# Altium PCB Monitoring.PcbDoc (part 2 of 2)
Units mil, origin at the board's own origin, x right, y up, seen from the top; angles counter-clockwise.
Board outline 4310 x 2295 mil, 4 copper layers (Top Layer, Internal Plane 1, Internal Plane 2, Bottom Layer), stack 18.2 mil thick; 117 components, 83 nets, 482 pads, 104 vias.
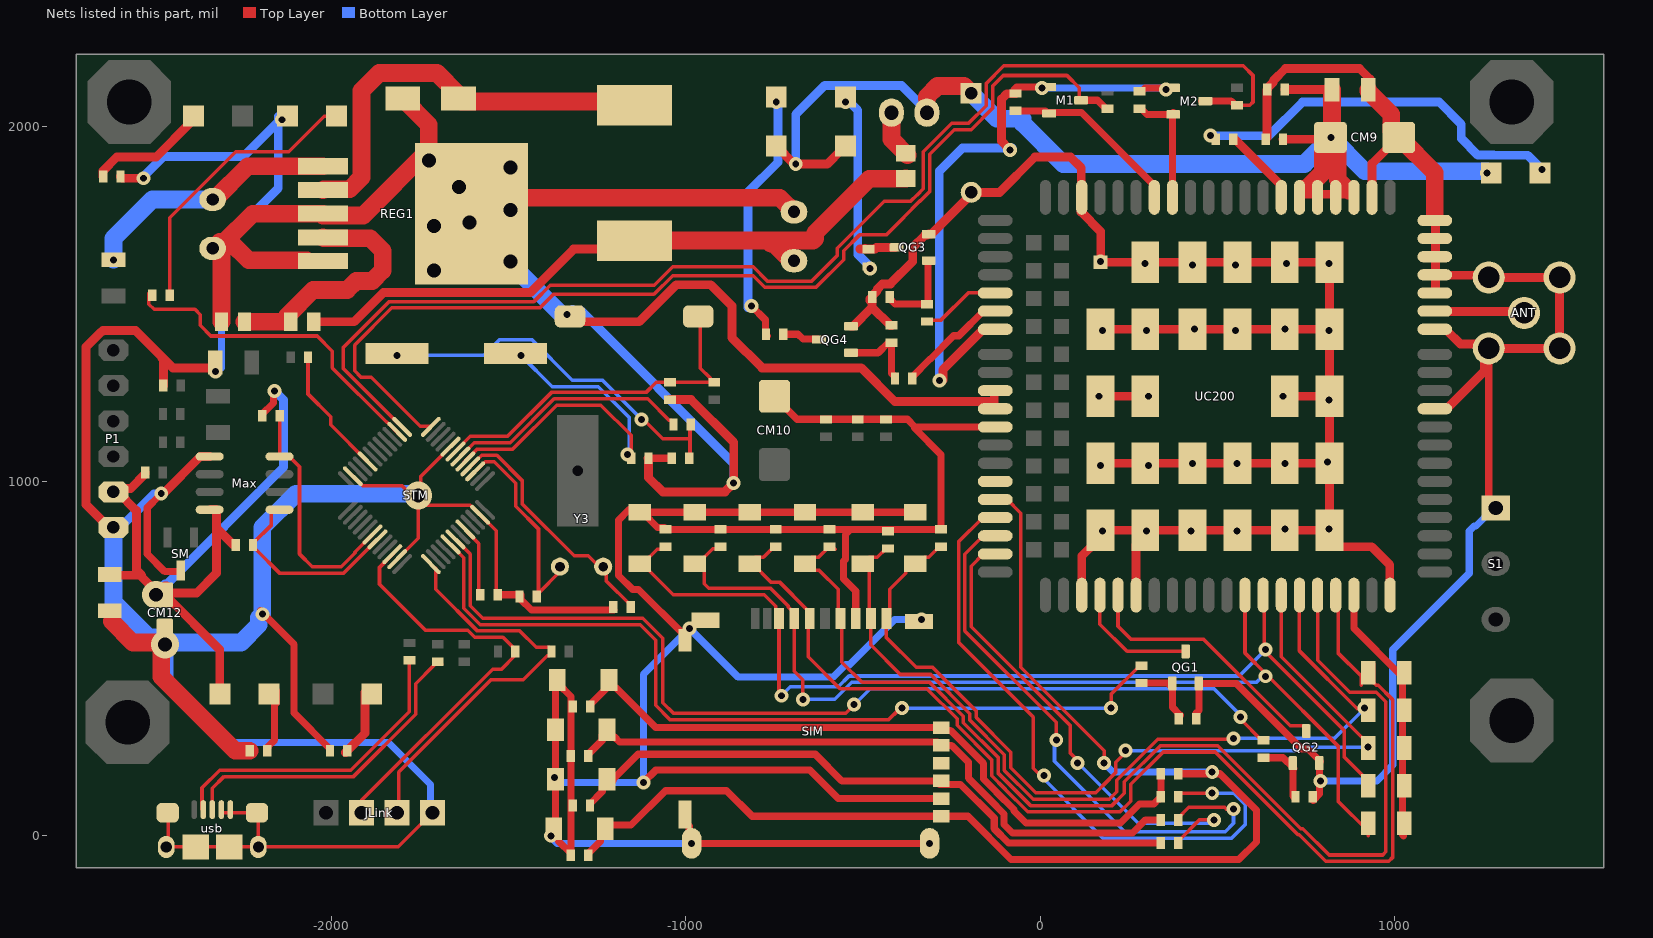
[diagram p4: the nets of this part, all layers, seen from the top]

## Via types
v1: diameter 39.37, hole 19.68, Top Layer to Bottom Layer, 93 vias
v2: diameter 78.74, hole 39.37, Top Layer to Bottom Layer, 11 vias

## Nets (pads, with @x,y where several pads share a name; then routed paths per layer and width w, separated by ;. In a path a pad name is that pad's centre, name@x,y a point inside that pad or via, vN(x,y) a via of type N, cw(c..) or ccw(c..) an arc to the next point about the centre after c; other vN are vias at no path point) (continued)
GND: ANT.G C1.1 C2.1 C3.2 C5.2 C20.2 CM9.2 CM12.2 CM13.2 CM20.2 CM25.2 CS3.2 CS4.2 CS5.2 DM2.1 DZ1.1 JLink.1 Max.5 P1.6 QG1.2 QG2.2 QG3.2 QG4.2 R4.2 R24.1 R50.1 R'16.2 Ready.2 REG1.3 REG1.5 REG1.6 RES.1 RL1.1 RN2.2 RS2.2 RS4.2 RS6.2 RS8.2 RT3.2 S1.1 SM.3 STM.8 STM.23 STM.35 STM.47 UC200.8 UC200.9 UC200.19 UC200.22 UC200.36 UC200.46 UC200.48 UC200.50 UC200.51 UC200.52 UC200.53 UC200.54 UC200.56 UC200.72 UC200.85 UC200.86 UC200.87 UC200.88 UC200.89 UC200.90 UC200.91 UC200.92 UC200.93 UC200.94 UC200.95 UC200.96 UC200.97 UC200.98 UC200.99 UC200.100 UC200.101 UC200.102 UC200.103 UC200.104 UC200.105 UC200.106 UC200.107 UC200.108 UC200.109 UC200.110 UC200.111 UC200.112 usb.4 usb.5 usb.S | length 24446.5
  Top Layer w10: usb.S@-2465.91,-31.46 -2460,-25.55 usb.S@-2460,65 ; usb.S@-2460,-40 -2451.46,-31.46 usb.S@-2383.23,-31.46 usb.S@-2288.74,-31.46 usb.S@-2206.06,-31.46 ; usb.4@-2310.39,73.86 -2310.39,67.66 -2307.74,65 -2220,65 usb.S@-2215,60 ; usb.S@-2210,65 -2206.06,61.06 usb.S@-2206.06,-31.46 ; STM.23@-1939.56,1014.29 -1939.07,1014.29 -1911.94,987.15 -1800.76,987.15 v2@-1783.6,970 ; STM.35@-1814.29,780.44 -1755,839.73 v2@-1755,950 ; v2@-1747.39,977.61 -1747.39,1014.37 STM.8@-1663.96,1097.8 ; v2@-1732.85,932.85 -1608.06,932.85 -1580.93,905.71 STM.47@-1580.44,905.71 ; JLink.1@-1710,45 -1735,45 -1811.46,-31.46 usb.S@-2206.06,-31.46 ; STM.47@-1580,905 -1579.73,905 -1535,860.27 R4.2@-1535,680
  Top Layer w20: v1@-2485,965 -2485,960 -2519.63,925.37 -2519.63,794.63 -2470,745 -2426.81,745 -2425,746.81 SM.3@-2425,748.74 ; v1@-2200,635 -2105,540 -2105,345.93 -2003.99,244.92 RL1.1@-2003.99,240 ; R4.2@-1530,680 C1.1@-1471.31,680 ; C1.1@-1465,680 -1465,665.68 -1435.82,636.5 C2.1@-1203.5,636.5 ; C20.2@-1110,1065 C20.2@-1105.5,1065 C3.2@-1039.5,1065 ; RS2.2@440,340 440,345.93 447.4,353.33 QG1.2@447.4,429.72 552.93,429.72 737.65,245 755,245 QG2.2@790,210 ; RS4.2@770,100 787.4,117.4 QG2.2@787.4,204.72 ; ANT.G@1252.5,1357.5 1265,1345 1265,945 S1.1@1285,925
  Top Layer w25: P1.6@-2625,865 -2625,867.5 -2691.94,934.44 -2691.94,1379.37 -2650.94,1420.37 -2649.63,1420.37 -2645,1425 -2552.2,1425 -2447.2,1320 R'16.2@-2330,1320 ; R50.1@-2595,1860 -2590,1855 v1(-2530,1855) ; v1(-2480,965) -2474.61,965 -2369.61,1070 Max.5@-2343.43,1070 ; -2480,1350 -2473.99,1343.99 RT3.2@-2473.99,1270 ; R'16.2@-2332.2,1315 R'16.2@-2327.2,1315 ; RES.1@-1320,1450 -1131.3,1450 -1026.66,1554.64 -929.64,1554.64 -870,1495 -870,1405 -785,1320 -505,1320 -410,1225 -130,1225 UC200.8@-130,1250 ; C20.2@-1105.5,1060.77 -1105.5,1010.5 -1065,970 -890,970 v1(-865,995) -865,1110 -985.5,1230.5 C5.2@-1045,1230.5 ; QG4.2@-534.45,1437.4 -527.95,1437.4 -475,1490.35 -475,1491.46 ; RS6.2@-480,1510 RS6.2@-480,1515 ; RS6.2@-475,1510 -475,1491.46 ; RS6.2@-473.99,1520 -473.99,1523.54 -460,1537.54 -460,1542.36 -445.25,1557.11 -422.89,1557.11 -360,1620 -360,1660 -325,1695 QG3.2@-320,1695 ; RS8.2@-420,1440 -423.54,1440 -475,1491.46 ; QG3.2@-314.72,1697.4 -308.23,1697.4 DZ1.1@-203.82,1801.81 ; DZ1.1@-195,1815.24 -114.76,1815.24 -15,1915 85,1915 115.61,1884.39 115.61,1830.61 UC200.72@115,1830 ; UC200.19@115,690 UC200.19@115.61,690.61 ; UC200.72@115,1760 170.39,1704.61 UC200.108@170.39,1617.95 UC200.85@812.05,1617.95 ; UC200.19@116.85,678.98 116.85,789.21 157.64,830 UC200.112@160,830 ; UC200.111@170,1051.02 UC200.106@295.98,1051.02 UC200.101@429.84,1051.02 UC200.97@555.83,1051.02 UC200.93@689.69,1051.02 UC200.88@808.98,1051.02 ; UC200.110@170,1240 UC200.105@295.98,1240 300,1240 UC200.105@305,1245 ; UC200.109@170,1428.98 UC200.104@295.98,1428.98 UC200.100@429.84,1428.98 UC200.96@555.83,1428.98 UC200.91@689.69,1428.98 UC200.86@815.67,1428.98 ; UC200.112@175,862.05 UC200.107@295.98,862.05 ; UC200.22@270.39,678.98 270.39,820.39 UC200.107@285,835 ; UC200.107@300,862.05 UC200.102@425,862.05 ; UC200.102@429.84,862.05 UC200.98@555.83,862.05 UC200.94@689.69,862.05 797.05,862.05 UC200.89@805,870 ; CS4.2@640,1970 640,2104.5 CS3.2@640.5,2105 640.5,2108.54 657.31,2125.35 657.31,2130.17 691.77,2164.63 900.37,2164.63 CS5.2@930,2135 ; UC200.92@689.69,1240 UC200.87@810,1240 ; UC200.85@815.67,1617.95 UC200.86@815.67,1428.98 ; UC200.56@935.75,1801.02 935.75,1896.26 985,1945.51 CM9.2@985,1950 ; UC200.36@985,705 985.69,705.69 985.69,764.31 934.51,815.49 842.54,815.49 815.67,842.36 UC200.89@815.67,862.05 UC200.88@815.67,1051.02 UC200.87@815.67,1240 UC200.86@815.67,1428.98 ; CM9.2@1020.55,1970 CM9.2@1025,1970 ; UC200.46@1112.91,1204.57 1146.38,1204.57 1252.44,1310.63 1252.44,1357.44 1252.5,1357.5 ANT.G@1255,1360 ; UC200.54@1112.91,1736.06 1115,1733.98 UC200.51@1115,1582.52 ; UC200.50@1115,1540 UC200.51@1115,1580 ; UC200.48@1125,1425 1147.24,1425 1184.68,1387.56 1252.44,1387.56 ANT.G@1265,1375 ; UC200.51@1130,1580 1131.28,1581.28 1258.72,1581.28 ANT.G@1265,1575 ANT.G@1465,1575 ANT.G@1465,1375 ANT.G@1270,1375 ; ANT.G@1247.74,1572.74 ANT.G@1255,1580
  Top Layer w50: -2620,605 -2560,545 -2480,545 -2480,448.66 -2271.34,240 R24.1@-2230,240 ; CM20.2@-2315,1675 -2309.98,1669.98 RN2.2@-2309.98,1450.02 ; CM20.2@-2305,1670 CM20.2@-2305,1672.2 ; REG1.5@-2069.8,1623.5 -2233.5,1623.5 -2282.2,1672.2 CM20.2@-2305,1672.2 ; REG1.3@-2023.94,1750 -1910,1750 -1725,1935 -1725,2006.26 DM2.1@-1798.74,2080 ; REG1.3@-2023.94,1755 -2222.2,1755 CM20.2@-2305,1672.2 ; REG1.6@-1604.65,1755 -1604.65,1795.35 -1600,1800 -735,1800 CM25.2@-695,1760 ; CS5.2@925,2105 925,2100.87 990.2,2035.67 990.2,1989.29 999.49,1980 CM9.2@1005,1980 ; CM9.2@1011.46,1970 1013.43,1970 1112.91,1870.51 UC200.54@1112.91,1745.31
  Bottom Layer w20: v2@-2505,550 v2@-2497.5,557.5 ; v2@-2455,545 -2455,425 -2293.54,263.54 -1838.54,263.54 -1720,145 -1720,80 JLink.1@-1705,65 ; CM20.2@-2345,1670 -2340,1665 CM20.2@-2330,1655 ; -2310,1320 CM20.2@-2310,1655 ; v1(790,155) 950,155 994.23,199.23 994.23,524.71 1210,740.48 1210,860 1224.14,874.14 1229.14,874.14 1275,920 S1.1@1275,930
  Bottom Layer w25: P1.6@-2615,870 -2595,870 -2500,965 v1(-2480,965) ; v1@-2537.5,1852.5 -2473.36,1916.64 -2247.61,1916.64 v1@-2150,2014.25 ; CM20.2@-2340,1665 CM20.2@-2332.2,1665 ; CM20.2@-2312.2,1665 -2150,1827.2 v1@-2150,2014.25 ; v1@-2150,2030 v1@-2150,2014.25 ; -1320,1485 -1315.62,1480.62 -1295.62,1480.62 -865,1050 v1(-865,995)
  Bottom Layer w50: P1.6@-2620,870 -2615,865 -2615,660 v2@-2505,550 ; v2@-2500,560 -2497.5,557.5 -2485,545 -2455,545 -2255,545 -2205,595 v1@-2205,615 ; v1(-2195,625) -2195,870 -2100,965 v2@-1770,965 ; v2(-1610,1730) -1345.5,1465.5 v1@-1330.5,1465.5
  other v1: 175,860 300,860 425,860 555,860 690,865 815,865 170,1045 305,1045 430,1050 555,1050 690,1050 810,1055 815,1230 165,1240 305,1240 685,1240 -2327.2,1310 175,1425 300,1425 550,1425 815,1425 435,1430 690,1430 -1335,1470 430,1610 550,1610 295,1615 695,1615 815,1615 170,1620 -2140,2020
  other v2: -2470,540 -1755,960 -1710,1595 -1495,1620 -1710,1720 -1495,1765 -1640,1830 -1495,1885 -1725,1905
GSM_ANT: ANT.S UC200.49 | length 247.6
  Top Layer w20: ANT.S@1368.67,1471.33 ANT.S@1370,1470
  Top Layer w25: UC200.49@1130,1480 1131.09,1478.91 1361.09,1478.91 1362.4,1477.6 ANT.S@1365,1475
  Top Layer w50: ANT.S@1362.4,1477.6 1367.6,1477.6 ANT.S@1370,1480
LEDGSM: RL10.1 STM.14 | length 934.9
  Top Layer w10: RL10.1@-2515,1530 -2515,1500 -2500,1485 -2385,1485 -2370,1470 -2370,1440 -2340,1410 -2039.72,1410 -1997.13,1367.4 -1997.13,1319.84 -1843.98,1166.69 -1842.7,1166.69 STM.14@-1808,1132
Net3.3V_2: 3.3V.2 RL1.2 | length 192.8
  Top Layer w25: RL1.2@-1960,235 RL1.2@-1955,240 -1905,290 3.3V.2@-1905,405
Net5V_2: 5V.2 R24.2 | length 185.4
  Top Layer w20: R24.2@-2180,235 -2180,245.93 -2178.46,247.46 -2178.46,251.54 -2160,270 -2160,370 -2155,375 5V.2@-2155,410
NetC1_2: C1.2 STM.3 Y3.1 | length 570.6
  Top Layer w10: STM.3@-1588.14,1033.14 -1565.95,1055.34 -1540.34,1055.34 -1480,995 -1480,929.72 -1415.76,865.49 C1.2@-1415.76,684.66 ; C1.2@-1420,680 -1420,680.43 C1.2@-1415.76,684.66 ; Y3.1@-1355.69,744.74 C1.2@-1415.76,684.66
NetC2_2: C2.2 STM.4 Y3.2 | length 696.4
  Top Layer w10: STM.4@-1607.06,1042.06 -1575.91,1073.21 -1532.93,1073.21 -1462.13,1002.4 -1462.13,937.13 -1315,790 -1275,790 -1244.2,759.2 Y3.2@-1233.1,759.2 ; Y3.2@-1230,755 -1225.22,750.22 -1225.22,719.64 -1155.5,649.92 C2.2@-1155.5,645 ; C2.2@-1155,650 C2.2@-1154.74,650.26
NetC3_1: C3.1 R2.2 Y2..1 | length 1056.6
  Top Layer w10: v1@-1120,1180 -1120,1175 -1065,1120 -988.26,1120 ; C3.1@-990.5,1065 -988.26,1067.25 -988.26,1120 ; R2.2@-980,1155 -981.52,1155 -988.26,1148.27 -988.26,1120
  Bottom Layer w10: v1(-1815,1355) -1570,1355 -1525,1400 -1435,1400 -1320.06,1285.06 -1235.06,1285.06 v1(-1125,1175)
NetCM20_1: CM20.1 F1.1 REG1.1 | length 730.5
  Top Layer w50: CM20.1@-2330,1795 -2236.14,1888.86 REG1.1@-2023.94,1888.86
  Bottom Layer w50: v1(-2615,1625) -2615,1685 -2505,1795 CM20.1@-2335,1795
NetCM25_1: CM25.1 FB1.1 L2.2 RN1.1 | length 1917.9
  Top Layer w25: RN1.1@-2050.04,1450 -1935.83,1450 -1853.33,1532.5 -1439.08,1532.5 -1316.58,1655 -1218.27,1655 -1203.27,1670 L2.2@-1200,1670
  Top Layer w50: L2.2@-1190,1665 L2.2@-1145,1665 ; L2.2@-1145,1679.06 -1109.84,1679.06 -760,1679.06 -641.22,1679.06 -635,1685.28 -635,1700.97 -482.56,1853.41 -381.16,1853.41 FB1.1@-380,1854.57 ; -760,1670 -751.85,1670 -704.06,1622.2 CM25.1@-695,1622.2
NetDM2_2: DM2.2 L2.1 REG1.2 | length 1215
  Top Layer w50: REG1.2@-2023.94,1821.93 -2021.58,1824.29 -1948.51,1824.29 -1915,1857.8 -1915,2102.13 -1865,2152.13 -1702.13,2152.13 -1645,2095 DM2.2@-1645,2085 ; DM2.2@-1641.26,2080 -1632.8,2071.54 -1131.54,2071.54 L2.1@-1125,2065
NetFB1_2: FB1.2 JP5.1 | length 138.6
  Top Layer w50: JP5.1@-420,2040 -420,1965 FB1.2@-375,1920
NetLight: RS9.2 UC200.6 | length 315.6
  Top Layer w20: RS9.2@-361.01,1290 -361.01,1294.92 -310.93,1345 -310.19,1345 ; -310,1345 -310.19,1345 ; UC200.6@-127.24,1480.16 -160.71,1480.16 -230.2,1410.67 -244.52,1410.67 -310.19,1345
NetMode: RS5.2 UC200.5 | length 221.4
  Top Layer w10: RS5.2@-315,1450 -310,1455 -280,1455 -203.66,1531.34 UC200.5@-127.24,1531.34
NetMODE_2: MODE.2 RS7.2 | length 509.4
  Top Layer w25: RS7.2@-485,1606.01 RS7.2@-481.46,1606.01
  Bottom Layer w25: v1@-550,2081.26 -515,2046.26 -515,1640 -482.75,1607.75 -482.75,1606.64 -481.11,1605 v1@-480,1605
  other v1: -480,1600 -550,2070
NetNET_2: NET.2 RS10.2 | length 719.3
  Top Layer w20: v1(-815,1495) -775.8,1455.8 -775.8,1416.81 RS10.2@-773.99,1415 ; RS10.2@-775,1415 RS10.2@-770,1410
  Bottom Layer w25: v1@-825,1490 -825,1815 -740,1900 v1@-740,2070
  other v1: -745,2070
NetPost_2: Post.2 R50.2 | length 343.4
  Top Layer w10: R50.2@-2643.99,1855 R50.2@-2643.99,1860
  Top Layer w25: R50.2@-2645,1860 -2645,1875 -2605,1915 -2494.25,1915 -2395,2014.25 Post.2@-2395,2030
NetQG1_1: QG1.1 RS1.1 RS2.1 | length 181.5
  Top Layer w20: RS1.1@285,431.01 358.99,431.01 QG1.1@365,425 ; QG1.1@372.6,429.72 372.6,362.4 392.5,342.5 RS2.1@395,340
NetQG2_1: QG2.1 RS3.1 RS4.1 | length 193.1
  Top Layer w20: RS3.1@630,220 685,220 QG2.1@712.6,192.4 ; QG2.1@712.6,204.72 QG2.1@712.6,192.4 ; RS4.1@715,110 712.6,112.4 QG2.1@712.6,192.4 ; QG2.1@715,190 QG2.1@712.6,192.4
NetQG3_1: QG3.1 RS5.1 RS6.1 | length 237
  Top Layer w20: RS6.1@-425,1515 -424.92,1515 -409.92,1500 RS5.1@-320,1500 -319.17,1500 -317.36,1501.81 -317.36,1620.79 -315.55,1622.6 QG3.1@-314.72,1622.6
NetQG3_3: QG3.3 RS7.1 | length 102.1
  Top Layer w25: -509.31,1655.69 -466.77,1655.69 -462.46,1660 QG3.3@-410,1660 ; RS7.1@-495,1656.01 RS7.1@-494.31,1656.7
NetQG4_1: QG4.1 RS8.1 RS9.1 | length 228.7
  Top Layer w20: QG4.1@-534.72,1360 QG4.1@-532.74,1361.99 ; QG4.1@-534.45,1362.6 -457.4,1362.6 RS8.1@-430,1390 ; RS8.1@-415.08,1391.01 RS8.1@-420,1391.01 -420,1304.92 -410,1294.92 RS9.1@-410,1290
NetQG4_3: QG4.3 RS10.1 | length 106.2
  Top Layer w20: RS10.1@-725,1415 -683.19,1415 -670,1401.81 -626.81,1401.81 QG4.3@-625,1400
NetR1_2: R1.2 STM.20 | length 353.5
  Top Layer w10: R1.2@-2065,1340 -2066.01,1338.99 -2066.01,1246.29 -2002.1,1182.38 -2002.1,1159.12 STM.20@-1899.02,1056.04
NetR4_1: R4.1 STM.44 | length 188
  Top Layer w10: STM.44@-1614.76,855.24 -1583.99,824.47 R4.1@-1583.99,680
NetR6_2: R6.2 usb.2 | length 884
  Top Layer w10: usb.2@-2365,75 -2365,135 -2315,185 -1945,185 -1780,350 R6.2@-1780,495 R6.2@-1775.08,495
NetR7_2: R7.2 usb.3 | length 912
  Top Layer w10: usb.3@-2335.98,73.86 -2335.98,134.02 -2302.87,167.13 -1937.6,167.13 -1762.13,342.6 -1762.13,428.88 -1711.73,479.28 -1711.73,484.2 -1704.92,491.01 R7.2@-1700,491.01 -1695.08,491.01 R7.2@-1688.27,484.2
NetReady_1: Ready.1 RL10.2 | length 783.5
  Top Layer w10: RL10.2@-2456.09,1530 RL10.2@-2456.01,1530 ; RL10.2@-2456.01,1525 RL10.2@-2456.01,1530 ; RL10.2@-2451.01,1530 RL10.2@-2456.01,1530 ; Ready.1@-2015,2030 -2020,2030 -2120,1930 -2270,1930 -2456.01,1743.99 RL10.2@-2456.01,1530
NetREG1_4: REG1.4 RN1.2 RN2.1 | length 687.9
  Top Layer w50: RN2.1@-2245,1450 -2135,1450 RN1.2@-2125,1460 ; RN1.2@-2125.41,1465.41 -2050.82,1540 -1955,1540 -1930,1565 -1885,1565 -1855,1595 -1855,1650 -1890.71,1685.71 -2021.58,1685.71 REG1.4@-2023.94,1688.07
NetRS1_2: RS1.2 STM.41 | length 2436.6
  Top Layer w10: STM.41@-1663.96,822.2 -1626.55,784.79 -1626.55,641.83 -1580.47,595.75 -1129,595.75 -1085,551.75 -1085,367.87 -1045,327.87 -427.13,327.87 -400,355 v1@-390,355 ; v1@195,360 200,365 200,399.92 280.08,480 RS1.2@285,480
  Bottom Layer w10: v1(-390,360) v1(200,360) v1@205,360
NetRS3_2: RS3.2 STM.42 | length 2767.2
  Top Layer w10: STM.42@-1650.04,836.12 -1608.68,794.76 -1608.68,649.23 -1573.07,613.62 -1121.59,613.62 -1065,557.03 -1065,375.75 -1035,345.75 -549.25,345.75 v1(-525,370) ; v1@565,330 565,329.07 625.08,268.99 RS3.2@630,268.99
  Bottom Layer w10: v1(-525,370) -480,415 490,415 v1@570,335
  other v1: 565,335
NetRS11_2: RS11.2 STATUS.2 | length 1069.4
  Bottom Layer w25: v1(480,1975) 645,1975 740,2070 1125,2070 1187.5,2007.5 1187.5,1967.5 1234.63,1920.37 1278.79,1920.37 1279.17,1920 1375,1920 v1@1410,1885
  other v1: 1415,1880
OSCIN: C20.1 STM.5 Y2..2 | length 1301.8
  Top Layer w10: STM.5@-1624.76,1054.76 -1588.44,1091.08 -1488.36,1091.08 -1364.44,1215 -1240,1215 -1154.5,1129.5 C20.1@-1154.5,1065 ; Y2..2@-1563.94,1384.53 -1539.41,1360 Y2..2@-1480.35,1360 Y2..2@-1472.68,1352.32 ; Y2..2@-1475.5,1349.5 Y2..2@-1472.68,1352.32 ; Y2..2@-1455,1370 Y2..2@-1472.68,1352.32 ; Y2..2@-1430.47,1335.47 -1455.83,1335.47 -1470.18,1349.82 Y2..2@-1472.68,1352.32
  Bottom Layer w10: v1(-1465,1355) -1377.19,1267.19 -1247.19,1267.19 -1160,1180 v1@-1160,1075
  other v1: -1165,1075
OSCOUT: R2.1 STM.6 | length 701.7
  Top Layer w10: STM.6@-1636.12,1069.96 -1597.12,1108.96 -1495.76,1108.96 -1371.85,1232.87 -1107.87,1232.87 -1046.73,1171.73 -1041.81,1171.73 -1035,1164.92 R2.1@-1035,1160
PWRKEY: QG2.3 UC200.21 | length 752.3
  Top Layer w10: UC200.21@220,685 219.21,684.21 UC200.21@219.21,678.98 219.21,590.79 255,555 460,555 705.04,309.96 743.19,309.96 750,303.15 QG2.3@750,295.28
RESET: C5.1 R5.2 RES.2 STM.7 | length 994.7
  Top Layer w10: STM.7@-1642.6,1092.6 -1608.37,1126.83 -1503.17,1126.83 -1379.25,1250.75 -1112.48,1250.75 -1083.73,1279.5 C5.1@-1045,1279.5 ; C5.1@-1039.75,1284.75 -1034.24,1279.24 -920.25,1279.24 R5.2@-920,1278.99 ; RES.2@-959.09,1465 -959.09,1319.09 -931.73,1291.73 -931.73,1285.8 -930.93,1285 R5.2@-925,1285
RSTKEY: QG1.3 UC200.20 | length 355.1
  Top Layer w10: UC200.20@160,675 168.03,666.97 168.03,596.97 244.72,520.28 QG1.3@410,520.28
RxComm: Max.1 R'15.1 STM.31 | length 563.7
  Top Layer w10: R'15.1@-2220,814.07 -2220,825.93 -2169.13,876.8 -2169.13,913.71 -2162.84,920 Max.1@-2146.57,920 ; R'15.1@-2215,810 -2215,809.07 -2214.2,808.27 -2213.27,808.27 -2145,740 -1966.08,740 STM.31@-1869.96,836.12 ; Max.1@-2150,915 Max.1@-2146.57,915
RxGSM: M1.2 RS15.1 UC200.68 | length 525.4
  Top Layer w20: RS15.1@-75,2045 RS15.1@-70,2045 10,2045 17.4,2037.6 M1.2@14.72,2037.6 ; M1.2@15,2045 20,2040 116.06,2040 321.57,1834.49 UC200.68@321.57,1801.02
S_CLK: CS31.1 DU2.2 RG3.2 SIM.C3 | length 1823.9
  Top Layer w20: CS31.1@-1275.5,224.95 -1275.5,229.87 -1235.79,269.59 -1235.79,284.21 DU2.2@-1225,295 ; DU2.2@-1222.16,299.53 -1222.16,291.66 -1208.54,278.03 -1200.67,278.03 -1187.63,265 SIM.C3@-290,265 ; SIM.C3@-280,255 -250,255 -202.5,207.5 -202.5,162.5 -142.5,102.5 ; -142.79,102.21 -102.13,61.55 -102.13,31.55 -78.45,7.87 260,7.87 297.13,45 RG3.2@340,45
S_I/O: CS30.1 DU1.2 RG1.2 RG2.2 SIM.C7 | length 1924.8
  Top Layer w20: CS30.1@-1270,364.92 -1270,369.85 -1225,414.85 DU1.2@-1225,415 ; DU1.2@-1210,430 -1210,424.47 -1203.54,418.01 -1198.01,418.01 -1085,305 SIM.C7@-280,305 SIM.C7@-270,305 ; SIM.C7@-270,310 SIM.C7@-270,305 ; -122.79,122.21 -74.25,73.67 -74.25,70 -40,35.75 225.75,35.75 280,90 320,90 333.27,103.27 338.19,103.27 340,105.08 RG1.2@340,110 RG2.2@340,175 RG2.2@340,180 ; -122.5,122.5 -160,160 -160,204.42 -252.86,297.28 -266.57,297.28 -270,300.71 SIM.C7@-270,305
S_RST: CS32.1 DU3.2 RG4.2 SIM.C2 | length 1809.2
  Top Layer w20: CS32.1@-1270.5,84.97 -1270.5,89.9 -1235.79,124.61 -1235.79,138.06 -1233.85,140 DU3.2@-1220,140 ; DU3.2@-1210,180 -1210,156.46 -1208.54,155 DU3.2@-1205,155 ; DU3.2@-1205,160 -1135,230 -635,230 -560,155 SIM.C2@-280,155 ; SIM.C2@-285,145 -225,145 -130,50 -130,20 -90,-20 RG4.2@340,-20
S_VPP: SIM.C6
SD-VDD: RZ1.1 RZ2.1 RZ3.1 RZ4.1 RZ5.1 UC200.34 | length 719.2
  Top Layer w20: UC200.34@884.57,678.98 884.57,585.43 1015,455 RZ5.1@1020,455 ; RZ5.1@1022.2,435 1022.2,326.25 1022.2,217.5 1022.2,108.75 1022.2,2.8 1025,0
SD_CLK: CS39.1 DU10.2 SIM.5 UC200.32 | length 3236.2
  Top Layer w10: DU10.2@-664.08,767.16 -656.21,767.16 -637.59,748.54 -623.54,748.54 -570,695 SIM.5@-570,625 ; DU10.2@-660,770 -644.21,785.79 -625.58,785.79 -595.86,815.5 CS39.1@-595,815.5 -586.02,815.5 CS39.1@-579.21,808.69 ; SIM.5@-565,620 -560,615 -560,490 -502.87,432.87 -312.6,432.87 -216.95,337.23 -216.95,318.99 -119.25,221.3 -119.25,176.88 -27.6,85.22 202.35,85.22 237.13,120 237.13,152.4 338.97,254.25 500.47,254.25 734.44,20.28 740.47,20.28 815,-54.25 965.75,-54.25 975,-45 975,377.62 947.62,405 872.66,405 782.2,495.45 UC200.32@782.2,678.98
SD_CMD: CS38.1 DU9.2 RZ5.2 SIM.3 UC200.33 | length 3390
  Top Layer w10: DU9.2@-820,770 -804.21,785.79 -781.05,785.79 -751.33,815.5 CS38.1@-746.41,815.5 ; DU9.2@-819.55,767.16 -811.68,767.16 -760.26,715.75 -735.73,715.75 -659.45,639.47 -659.45,637.01 -652.44,630 SIM.3@-650,630 ; SIM.3@-650,620 -655,615 -655,505 -565,415 -320,415 -234.82,329.82 -234.82,311.59 -137.13,213.89 -137.13,169.47 -99.63,131.97 -99.63,131.39 -35.58,67.35 225,67.35 255,97.35 255,145 346.38,236.38 493.07,236.38 727.04,2.4 730.47,2.4 805,-72.13 982.87,-72.13 993.66,-61.34 993.66,384.23 953.29,424.61 947.6,424.61 940,432.2 RZ5.2@940,485 ; UC200.33@833.39,678.98 840,672.36 840,515.59 905,450.59 905,425
SD_DATA0: CS34.1 DU5.2 RZ1.2 SIM.7 UC200.31 | length 2455.5
  Top Layer w10: DU5.2@-508.61,767.16 DU5.2@-500.74,767.16 ; DU5.2@-505,760 -505,762.9 DU5.2@-500.74,767.16 ; SIM.7@-480,635 -480.11,635 -482.12,637.01 -482.12,748.54 DU5.2@-500.74,767.16 ; SIM.7@-478.66,618.66 -478.66,538.66 -395,455 -309.44,455 -199.07,344.63 -199.07,326.4 -101.38,228.7 -101.38,184.28 -20.19,103.1 194.95,103.1 215.92,124.08 215.92,156.48 331.57,272.13 542.13,272.13 v1(545,275) ; CS34.1@-430,810.5 -434.92,810.5 -459.64,785.79 -482.12,785.79 DU5.2@-500.74,767.16 ; UC200.31@731.02,678.98 731.02,521.36 893.92,358.46
  Bottom Layer w10: v1(545,275) 830,275 v1(915,360) v1@920,360
SD_DATA1: CS35.1 DU6.2 RZ2.2 SIM.8 UC200.30 | length 2485.6
  Top Layer w10: SIM.8@-435,605 -434.13,604.13 -434.13,559.13 -350,475 -304.17,475 -181.2,352.03 -181.2,333.8 -83.5,236.11 -83.5,191.69 -12.79,120.97 155.97,120.97 195,160 195,160.83 212.56,178.39 212.56,207.56 v1@231.04,226.04 ; SIM.8@-425,625 -425,695.31 -379.64,740.67 -379.64,748.54 -361.02,767.16 DU6.2@-353.14,767.16 ; DU6.2@-335,770 -335,777.43 -326.65,785.79 -314.64,785.79 -284.92,815.5 CS35.1@-280,815.5 ; UC200.30@675,695 679.84,690.16 UC200.30@679.84,678.98 679.84,505.16 925,260 v1(925,250) RZ2.2@925,247.5
  Bottom Layer w10: v1(240,240) 718.06,240 728.06,250 v1(925,250)
SD_DATA2: CS36.1 DU7.2 RZ3.2 SIM.1 UC200.29 | length 2806.1
  Top Layer w10: DU7.2@-1130.49,767.16 DU7.2@-1122.62,767.16 ; CS36.1@-1060,815 -1066.31,808.69 -1081.09,808.69 DU7.2@-1122.62,767.16 ; SIM.1@-745,610 SIM.1@-735,620 ; SIM.1@-737.28,612.48 -737.28,402.28 v1@-735,400 ; SIM.1@-735,635 -744.06,635 -746.06,637.01 -746.06,647.34 -778.72,680 -1035.46,680 DU7.2@-1122.62,767.16 ; UC200.29@628.66,648.66 631.83,645.49 v1@631.83,529.23 ; v1@632.36,522.36 857.87,296.85 857.87,222.13 921.25,158.75 921.25,145 RZ3.2@925,141.25
  Bottom Layer w10: v1(-730,395) -705,420 -570.28,420 -539.53,450.75 560.75,450.75 630,520 v1@630,525
  other v1: 635,525
SD_DATA3: CS37.1 DU8.2 RZ4.2 SIM.2 UC200.28 | length 2800.7
  Top Layer w10: DU8.2@-975.02,767.16 DU8.2@-967.15,767.16 ; CS37.1@-915,810 -924.31,810 DU8.2@-967.15,767.16 ; SIM.2@-693.98,612.48 -693.98,463.98 -670,440 v1(-670,385) ; SIM.2@-690,630 -695.75,630 -710.63,644.88 -710.63,647.34 -761.16,697.87 -935,697.87 -948.53,711.4 -948.53,748.54 DU8.2@-967.15,767.16 ; UC200.28@577.48,652.48 577.48,515.77 639.12,454.12 840,253.25 840,97.8 925,12.8 925,0
  Bottom Layer w10: v1(-670,385) -580,385 -532.13,432.87 609.93,432.87 627.05,450 v1(635,450)
SIM-VDD: CS33.1 DU4.2 RG2.1 SIM.C1 UC200.14 | length 3642.2
  Top Layer w10: UC200.14@-160.71,948.66 UC200.14@-127.24,948.66 -93.78,948.66 -55,909.88 -55,475.28 180,240.28 v1@180,220
  Top Layer w20: CS33.1@-1275.5,-55 -1275.5,-50.08 -1240.79,-15.36 -1240.79,4.21 DU4.2@-1225,20 ; DU4.2@-1225,30 -1155,30 -1057.87,127.13 -885,127.13 -812.87,55 SIM.C1@-280,55 ; SIM.C1@-269.29,50 -269.29,52.28 -266.57,55 -204.42,55 -82.29,-67.13 560,-67.13 610,-17.13 610,72.1 507.1,175 485,175 RG2.1@388.99,175
  Bottom Layer w20: v1(180,205) 205,180 v1(485,180)
SIMCLK: RG3.1 UC200.16 | length 1582.7
  Top Layer w10: UC200.16@-127.24,846.3 -160.71,846.3 -212.87,794.13 -212.87,577.87 45,320 45,280 v1@40,275 ; RG3.1@388.99,45 388.99,49.92 419.07,80 520,80 525,75
  Bottom Layer w10: v1@40,265 40,210 238.5,11.5 521.5,11.5 545,35 v1(545,75)
  other v1: 45,270
SIMDATA: RG1.1 UC200.15 | length 1824.8
  Top Layer w10: UC200.15@-127.24,897.48 -162.52,897.48 -230.75,829.25 -230.75,545.75 -20,335 -20,190 v1@10,160 ; RG1.1@388.99,110 388.99,113.19 395.8,120 v1(485,120)
  Bottom Layer w10: v1@5,165 176.38,-6.38 540,-6.38 577.56,31.18 577.56,88.49 546.05,120 v1(485,120)
  other v1: 10,170
SIMDET: UC200.13
SIMGND: CM10.2 CS30.2 CS31.2 CS32.2 CS33.2 CS34.2 CS35.2 CS36.2 CS37.2 CS38.2 CS39.2 CS40.1 CS41.1 CS42.1 DU1.1 DU2.1 DU3.1 DU4.1 DU5.1 DU6.1 DU7.1 DU8.1 DU9.1 DU10.1 SIM.0 SIM.6 SIM.C5 UC200.10 | length 7916.5
  Top Layer w20: DU4.1@-1367.84,7.16 DU3.1@-1367.84,159.56 DU2.1@-1367.84,299.53 -1367.84,434.51 DU1.1@-1362.84,439.51 ; DU4.1@-1360,0 -1359.21,-0.79 -1359.21,-15.36 CS33.2@-1324.5,-50.08 ; DU1.1@-1360,445 -1360,428.8 -1324.5,393.29 CS31.2@-1324.5,224.95 CS33.2@-1324.5,-50.08 ; CS33.2@-1324.5,-55 CS33.2@-1324.5,-50.08 ; DU7.1@-1160,920 -1189.64,890.36 -1189.64,734.64 -1150,695 -1133.19,695 SIM.0@-1006.59,568.41 ; DU7.1@-1130.49,912.84 -1122.62,912.84 DU7.1@-1119.89,910.11 ; v1@-1125,145 v1(-1120,150) -1085,185 -650,185 -570,105 SIM.C5@-280,105 ; DU7.1@-1120,910 DU7.1@-1119.89,910.11 ; CS36.2@-1060,870 -1079.79,870 DU7.1@-1119.89,910.11 ; CS36.2@-1057.35,864.5 CS37.2@-901.88,864.5 CS38.2@-746.41,864.5 CS39.2@-595,864.5 CS35.2@-280,864.5 -280,1075 -355,1150 ; SIM.0@-1000,55 -1000,37.4 -990.46,27.86 -990.46,-14.66 SIM.0@-983.74,-21.38 SIM.0@-312.48,-21.38 -306.38,-21.38 SIM.0@-305,-20 ; CM10.2@-745,1230 -741.77,1230 -686.77,1175 -375,1175 -353.39,1153.39 UC200.10@-127.24,1153.39 ; -540,860 -550,850 -550,780 -555,775 -555,725 -520.75,690.75 SIM.6@-520.75,612.48 ; DU6.1@-353.14,912.84 DU5.1@-500.49,912.84 DU10.1@-664.08,912.84 DU9.1@-819.55,912.84 DU8.1@-975.02,912.84 -1117.16,912.84 DU7.1@-1119.89,910.11
  Bottom Layer w20: v1@-1380,-5 -1363.62,-21.38 SIM.0@-983.74,-21.38 ; v1@-1370,160 -1360,150 v1(-1120,150) -1120,455 -995,580 -985,580 -852.36,447.36 -585.08,447.36 -550,482.44 -538.31,482.44 -410.75,610 v1(-335,610) ; v1@-995,590 v1(-990,585)
  other v1: -1380,0 -1370,165
SIMRST: RG4.1 UC200.17 | length 1343.8
  Top Layer w10: UC200.17@-127.24,795.12 -160.71,795.12 -195,760.83 -195,590 85,310 85,232.95 105,212.95 v1(105,205) ; RG4.1@388.99,-20 388.99,-15.08 449.07,45 v1(490,45)
  Bottom Layer w10: v1@112.5,197.5 112.5,198.93 276.43,35 480,35 v1(490,45)
StatusLight: RS11.1 UC200.61 | length 222.4
  Top Layer w25: RS11.1@545,1965 549.33,1965 679.84,1834.49 UC200.61@679.84,1801.02
SWCLk: JLink.2 R9.2 STM.37 | length 1125
  Top Layer w10: JLink.2@-1810,90 -1810,179.72 -1549.72,440 -1458.99,440 -1390.72,508.27 -1385.8,508.27 -1378.99,515.08 R9.2@-1378.99,520 ; STM.37@-1705.92,754.08 -1705.92,695.92 -1587.87,577.87 -1468.47,577.87 -1422.33,531.73 -1385.8,531.73 -1380,525.93 R9.2@-1380,520
SWIO: JLink.3 R10.1 STM.34 | length 1171.7
  Top Layer w10: JLink.3@-1915,100 -1545,470 -1520,470 -1481.01,508.99 R10.1@-1481.01,520 ; STM.34@-1825.64,795.64 -1864.25,757.03 -1864.25,709.25 -1794.86,639.86 -1794.58,639.86 -1734.58,579.86 -1618.11,579.86 ; -1615.14,579.86 -1595.28,560 -1516.09,560 -1485,528.91 R10.1@-1485,525
TxComm: Max.4 R'18.1 STM.30 | length 682.7
  Top Layer w10: Max.4@-2146.57,1070 -2119.01,1070 -2090,1040.99 -2090,795 -2054.14,759.14 -1972.22,759.14 -1932.64,798.72 ; Max.4@-2146.01,1076.29 R'18.1@-2146.01,1185 ; -1933.92,800 STM.30@-1883.88,850.04
TxGSM: M2.2 RS18.1 UC200.67 | length 341
  Top Layer w20: RS18.1@280,2050 285.93,2050 300.73,2035.2 M2.2@372.76,2035.2 ; UC200.67@372.76,1801.02 M2.2@372.76,2035.2 ; M2.2@375,2035.2 M2.2@372.76,2035.2 ; M2.2@375,2040 372.76,2037.76 M2.2@372.76,2035.2
UART_RXD: M2.3 RS17.1 STM.13 | length 3553.4
  Top Layer w10: STM.13@-1814.08,1165.92 -1966,1317.84 -1966,1378.11 -1836.99,1507.13 -1428.57,1507.13 -1382.85,1552.85 -1089.61,1552.85 -1037.46,1605 -810,1605 -770,1565 -644.72,1565 -572.87,1636.85 -572.87,1657.4 -440.28,1790 -366.16,1790 -347.54,1808.62 -346.38,1808.62 -330,1825 -330,1930 -250,2010 -202.5,2010 -152.6,2059.9 -152.6,2122.4 -102.87,2172.13 572.87,2172.13 600,2145 600,2070 591.01,2061.01 556.01,2061.01 RS17.1@555,2060
  Top Layer w20: M2.3@455.55,2072.6 M2.3@465.55,2072.6 538.49,2072.6 551.09,2060 RS17.1@555,2060
UART_TXD: M1.3 RS16.1 STM.12 | length 2991.9
  Top Layer w10: STM.12@-1720,1155 -1748.94,1155 -1887.5,1293.56 -1916.44,1293.56 -1934.42,1311.53 -1934.42,1384.42 -1829.59,1489.25 -1411.42,1489.25 -1373.43,1527.24 -1089.94,1527.24 -1037.17,1580.02 -810.3,1580.02 -777.4,1547.13 -632.87,1547.13 -555,1625 -555,1650 -510,1695 -435,1695 -385.75,1744.25 -385.75,1745.14 -340.14,1790.75 -338.97,1790.75 -312.13,1817.6 -312.13,1922.6 -242.6,1992.13 -195.1,1992.13 -134.72,2052.5 -134.72,2115 -104.86,2144.86 75.14,2144.86 110,2110 M1.3@110,2075
  Top Layer w20: M1.3@110,2075 M1.3@115.28,2075 161.09,2075 186.09,2050 RS16.1@190,2050
VBAT: CM9.1 CS3.1 CS4.1 CS5.1 DZ1.2 JP5.2 MODE.1 NET.1 STATUS.1 UC200.57 UC200.58 UC200.59 UC200.60 | length 3447.3
  Top Layer w25: NET.1@-745,1946.1 -693.9,1895 v1(-690,1895) -601.1,1895 -560,1936.1 MODE.1@-560,1945 ; CS4.1@684.5,1965 CM9.1@810,1965 ; CS3.1@689.5,2105 814.63,2105 815,2105.37 CS5.1@815,2110 ; UC200.60@731.02,1801.02 731.02,1807 734.02,1810 782.2,1810 833.39,1810 UC200.57@880,1810
  Top Layer w50: -320,2080 -320,2085 -290,2115 -215,2115 DZ1.2@-200,2100 ; UC200.60@740.28,1825 750,1825 797.28,1872.28 797.28,1950.71 816.57,1970 CM9.1@818.54,1970 ; v1(820,1970) 839.29,1950.71 839.29,1850.71 UC200.57@870,1820 ; CM9.1@822.8,1982.2 CS5.1@822.8,2105
  Bottom Layer w25: v1(-690,1895) -690,2035 -607.87,2117.13 -392.13,2117.13 -320,2045 JP5.2@-320,2040
  Bottom Layer w50: DZ1.2@-195,2094.76 -122.8,2022.56 -50,2022.56 ; -50,2010 65,1895 745,1895 v1(820,1970) 915,1875 v1@1260,1875
  other v1: 1260,1870
VCC: 5V.1 CM12.1 CM13.1 Max.8 P1.5 R'15.2 R'18.2 RT4.1 | length 2155.4
  Top Layer w20: Max.8@-2340,920 Max.8@-2339.31,920.69 ; R'18.2@-2195,1185 -2195,1189.92 -2163.71,1221.22 -2163.71,1258.71 v1@-2165,1260
  Top Layer w25: CM13.1@-2615,740 CM13.1@-2611.1,736.1 ; P1.5@-2615,970 -2602.5,970 -2550,917.5 -2550,750 -2535,735 ; CM13.1@-2606.1,735 -2535,735 ; P1.5@-2605,975 -2600.18,979.82 -2566.63,979.82 -2525,1021.46 RT4.1@-2525,1025 ; Max.8@-2340,920 -2325,920 -2324.31,919.31 -2324.31,869.31 ; 5V.1@-2310,385 -2310,396.1 5V.1@-2313.9,400 -2315,401.1 -2315,525 -2465,675 CM12.1@-2465,685 ; R'15.2@-2275,820 -2324.31,869.31 ; -2535,735 -2535,730 -2490,685 -2470.14,704.86 -2465,704.86 CM12.1@-2465,685 ; CM12.1@-2465,685 -2380,685 -2324.31,740.69 -2324.31,869.31
  Bottom Layer w25: v2@-2470,710 -2465,710 -2135,1040 -2135,1230 v1(-2160,1255)
  other v2: -2495,680
VDD-EXT: M1.1 M2.1 RS15.2 RS18.2 UC200.7 | length 1778.6
  Top Layer w20: RS15.2@-74.54,2104.54 -66.67,2112.4 M1.1@14.72,2112.4 ; RS18.2@280,2100 284.92,2100 294.92,2110 M2.1@372.87,2110
  Top Layer w25: v1@-275,1285 -275,1314.68 -160.71,1428.98 UC200.7@-127.24,1428.98 ; v1@-90,1940 -109.35,1959.35 -109.35,2078.66 -94.71,2093.3 -70.69,2093.3 RS15.2@-70,2093.99
  Bottom Layer w20: v1(5,2110) v1@360,2110
  Bottom Layer w25: v1@-285,1290 -285,1875 -220,1940 v1@-80,1940
  other v1: -285,1285 -85,1935 355,2105
pads on no net: CM9.0 CM10.0 CM12.0 M1.0 M2.0 QG1.0 QG2.0 QG3.0 QG4.0 SIM.A SIM.B STM.1 STM.10 STM.11 STM.16 STM.18 STM.19 STM.21 STM.22 STM.39 STM.40 STM.43 STM.45 STM.46 UC200.1 UC200.2 UC200.3 UC200.4 UC200.11 UC200.12 UC200.18 UC200.23 UC200.24 UC200.25 UC200.26 UC200.27 UC200.35 UC200.37 UC200.38 UC200.39 UC200.40 UC200.41 UC200.42 UC200.43 UC200.44 UC200.45 UC200.47 UC200.55 UC200.62 UC200.63 UC200.64 UC200.65 UC200.66 UC200.69 UC200.70 UC200.71 UC200.113 UC200.114 UC200.115 UC200.116 UC200.117 UC200.118 UC200.119 UC200.120 UC200.121 UC200.122 UC200.123 UC200.124 UC200.125 UC200.126 UC200.127 UC200.128 UC200.129 UC200.130 UC200.131 UC200.132 UC200.133 UC200.134 UC200.135 UC200.136 UC200.137 UC200.138 UC200.139 UC200.140 UC200.141 UC200.142 UC200.143 UC200.144 usb.1 Y3.3

## Polygon pours and split planes (outlines as drawn)
GND on Bottom Layer "Bottom Layer-GND" (solid, remove dead copper, pour order 2): -2705,1920 -2495,1920 -2230,2185 950,2185 1590,1545 1590,600 1580,600 1455,475 1225,475 1225,470 665,-90 -1940,-90 -2705,675

## Keep-outs
Keep-Out Layer:
  the board outline again, w10

## Silkscreen, mask and mechanical layers (free items; w line width, h text height)
Top Overlay:
  drawing of 639 lines, arcs and shapes, not listed
  text "OFF" at 1405,1110 h80
  text "ON" at 1430,390 h80
  text "MOBS" at -25,85 h100
  text "V1.0D9911" at -190,0 h100